# Altium PCB EPS.PcbDoc (part 10 of 11)
Units mm, origin at the board's own origin, x right, y up, seen from the top; angles counter-clockwise.
Board outline 90.25 x 93.64 mm, 8 copper layers (Top Layer, PGND, Power, Control Signals 1, Control Signals 2, Signal 1, Signal 2, Bottom Layer), stack 1.637 mm thick; 941 components, 557 nets, 2694 pads, 869 vias.
Unrouted connection lines stored in the file: 2.
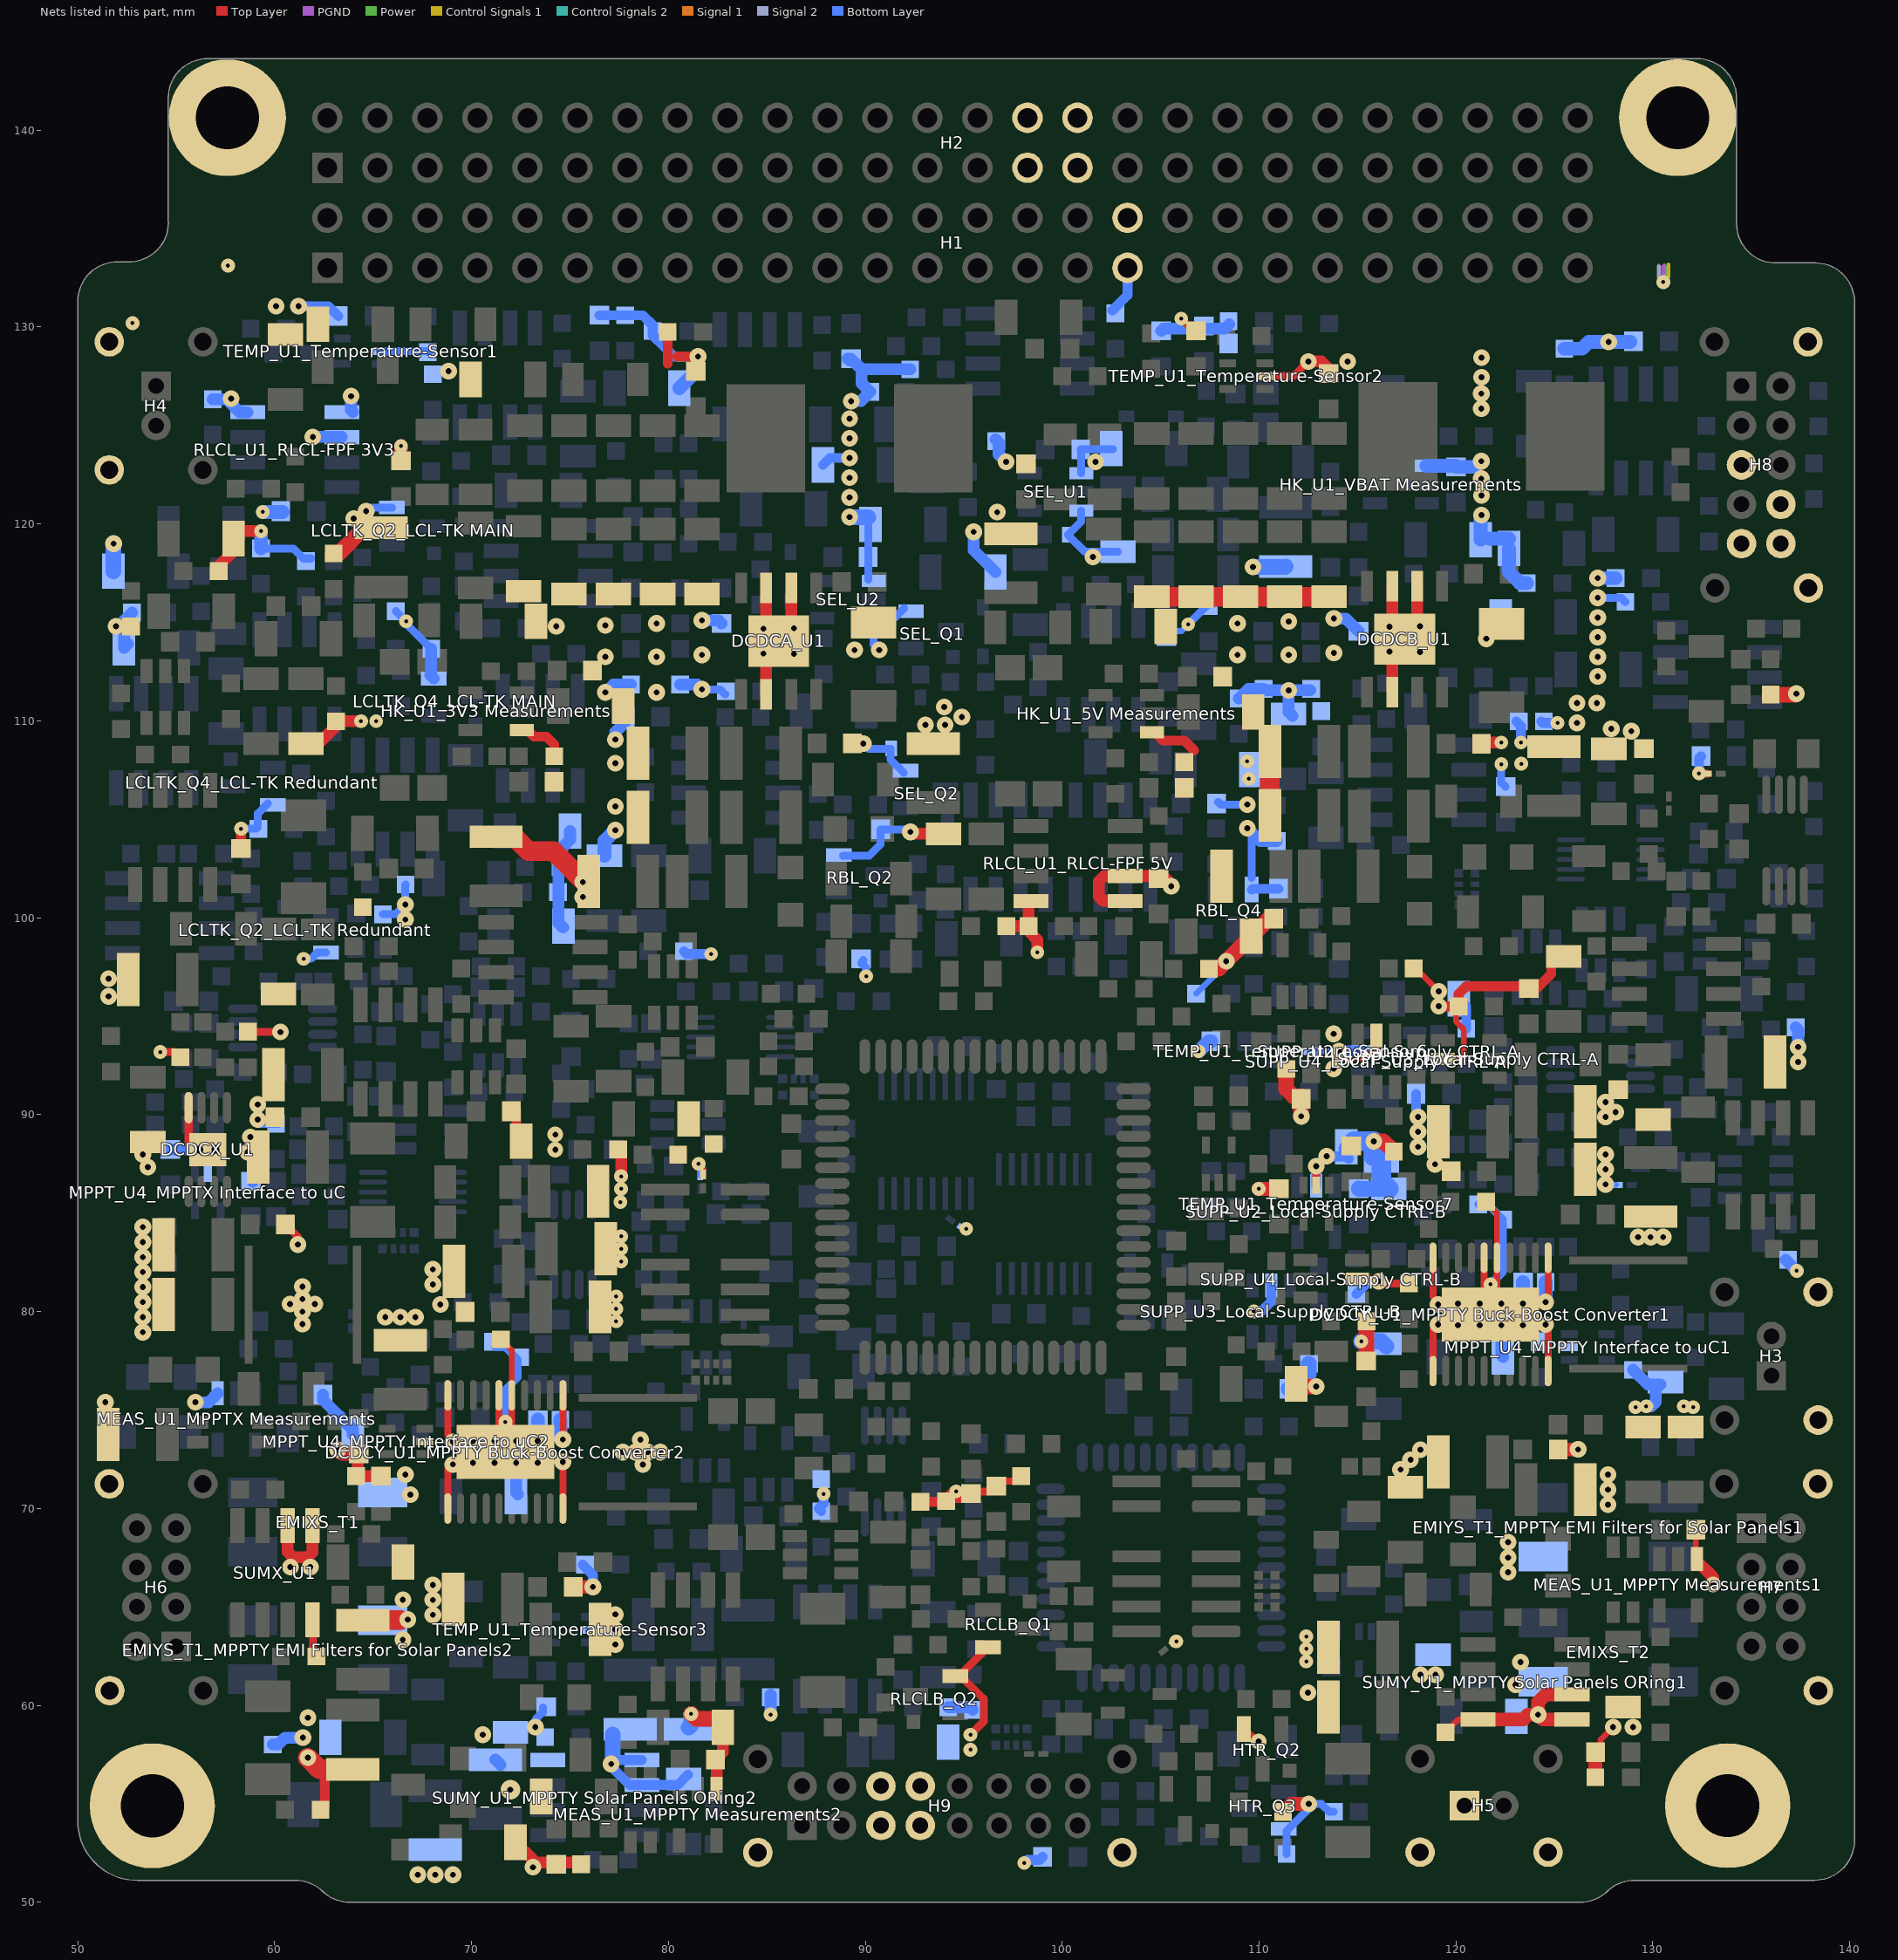
[diagram p16: the nets of this part, all layers, seen from the top]

## Via types
v1: diameter 0.7, hole 0.2, Top Layer to Bottom Layer, 431 vias
v2: diameter 0.85, hole 0.3, Top Layer to Bottom Layer, 345 vias
v3: diameter 0.6, hole 0.2, Top Layer to Bottom Layer, 62 vias
v4: diameter 0.8, hole 0.3, Top Layer to Bottom Layer, 19 vias
v5: diameter 0.75, hole 0.3, Top Layer to Bottom Layer, 7 vias
v6: diameter 1, hole 0.4, Top Layer to Bottom Layer, 2 vias
v7: diameter 0.7, hole 0.3, Top Layer to Bottom Layer, 2 vias
v8: diameter 1, hole 0.3, Top Layer to Bottom Layer, 1 vias

## Nets (pads, with @x,y where several pads share a name; then routed paths per layer and width w, separated by ;. In a path a pad name is that pad's centre, name@x,y a point inside that pad or via, vN(x,y) a via of type N, cw(c..) or ccw(c..) an arc to the next point about the centre after c; other vN are vias at no path point) (continued)
PGND: "DCDCY_C3_MPPTY Buck-Boost Converter1.1" "DCDCY_C3_MPPTY Buck-Boost Converter2.1" "DCDCY_C4_MPPTY Buck-Boost Converter1.1" "DCDCY_C4_MPPTY Buck-Boost Converter2.1" "DCDCY_C5_MPPTY Buck-Boost Converter1.2" "DCDCY_C5_MPPTY Buck-Boost Converter2.2" "DCDCY_C6_MPPTY Buck-Boost Converter1.2" "DCDCY_C6_MPPTY Buck-Boost Converter2.2" "DCDCY_C7_MPPTY Buck-Boost Converter1.2" "DCDCY_C7_MPPTY Buck-Boost Converter2.2" "DCDCY_C8_MPPTY Buck-Boost Converter1.2" "DCDCY_C8_MPPTY Buck-Boost Converter2.2" "DCDCY_C9_MPPTY Buck-Boost Converter1.2" "DCDCY_C9_MPPTY Buck-Boost Converter2.2" "DCDCY_C13_MPPTY Buck-Boost Converter1.2" "DCDCY_C13_MPPTY Buck-Boost Converter2.2" "DCDCY_C14_MPPTY Buck-Boost Converter1.2" "DCDCY_C14_MPPTY Buck-Boost Converter2.2" "DCDCY_R6_MPPTY Buck-Boost Converter1.2" "DCDCY_R6_MPPTY Buck-Boost Converter2.2" "DCDCY_R8_MPPTY Buck-Boost Converter1.2" "DCDCY_R8_MPPTY Buck-Boost Converter2.2" "DCDCY_R9_MPPTY Buck-Boost Converter1.2" "DCDCY_R9_MPPTY Buck-Boost Converter2.2" "DCDCY_R11_MPPTY Buck-Boost Converter1.2" "DCDCY_R11_MPPTY Buck-Boost Converter2.2" "DCDCY_U1_MPPTY Buck-Boost Converter1.1" "DCDCY_U1_MPPTY Buck-Boost Converter1.5" "DCDCY_U1_MPPTY Buck-Boost Converter1.6" "DCDCY_U1_MPPTY Buck-Boost Converter1.10" "DCDCY_U1_MPPTY Buck-Boost Converter1.11" "DCDCY_U1_MPPTY Buck-Boost Converter1.20" "DCDCY_U1_MPPTY Buck-Boost Converter1.21" "DCDCY_U1_MPPTY Buck-Boost Converter2.1" "DCDCY_U1_MPPTY Buck-Boost Converter2.5" "DCDCY_U1_MPPTY Buck-Boost Converter2.6" "DCDCY_U1_MPPTY Buck-Boost Converter2.10" "DCDCY_U1_MPPTY Buck-Boost Converter2.11" "DCDCY_U1_MPPTY Buck-Boost Converter2.20" "DCDCY_U1_MPPTY Buck-Boost Converter2.21" "EMIYI_C1_MPPTY Input EMI Filter1.2" "EMIYI_C1_MPPTY Input EMI Filter2.2" "EMIYI_C2_MPPTY Input EMI Filter1.2" "EMIYI_C2_MPPTY Input EMI Filter2.2" "EMIYO_C1_MPPTY Output EMI Filter1.2" "EMIYO_C1_MPPTY Output EMI Filter2.2" "EMIYO_C2_MPPTY Output EMI Filter1.2" "EMIYO_C2_MPPTY Output EMI Filter2.2" "EMIYO_C3_MPPTY Output EMI Filter1.2" "EMIYO_C3_MPPTY Output EMI Filter2.2" "EMIYS_C1_MPPTY EMI Filters for Solar Panels1.2" "EMIYS_C1_MPPTY EMI Filters for Solar Panels2.2" "EMIYS_C2_MPPTY EMI Filters for Solar Panels1.2" "EMIYS_C2_MPPTY EMI Filters for Solar Panels2.2" "EMIYS_T1_MPPTY EMI Filters for Solar Panels1.3" "EMIYS_T1_MPPTY EMI Filters for Solar Panels2.3" "HK_C1_3V3 Measurements.2" "HK_C1_5V Measurements.2" "HK_C1_VBAT Measurements.2" "HK_C2_3V3 Measurements.2" "HK_C2_5V Measurements.2" "HK_C2_VBAT Measurements.2" "HK_C3_3V3 Measurements.2" "HK_C3_5V Measurements.2" "HK_C3_VBAT Measurements.2" "HK_R4_3V3 Measurements.2" "HK_R4_5V Measurements.2" "HK_R4_VBAT Measurements.2" "HK_U1_3V3 Measurements.1" "HK_U1_5V Measurements.1" "HK_U1_VBAT Measurements.1" "LCL_C2_LCL-FPF ANTs 5V1.2" "LCL_C2_LCL-FPF ANTs 5V2.2" "LCL_C2_LCL-FPF CAMnadir 3V3.2" "LCL_C2_LCL-FPF CAMwing 3V3.2" "LCL_C2_LCL-FPF SENS 5V.2" "LCL_C2_LCL-FPF SunS 3V3.2" "LCL_C3_LCL-FPF ANTs 5V1.2" "LCL_C3_LCL-FPF ANTs 5V2.2" "LCL_C3_LCL-FPF CAMnadir 3V3.2" "LCL_C3_LCL-FPF CAMwing 3V3.2" "LCL_C3_LCL-FPF SENS 5V.2" "LCL_C3_LCL-FPF SunS 3V3.2" "LCL_R3_LCL-FPF ANTs 5V1.1" "LCL_R3_LCL-FPF ANTs 5V2.1" "LCL_R3_LCL-FPF CAMnadir 3V3.1" "LCL_R3_LCL-FPF CAMwing 3V3.1" "LCL_R3_LCL-FPF SENS 5V.1" "LCL_R3_LCL-FPF SunS 3V3.1" "LCL_R5_LCL-FPF ANTs 5V1.1" "LCL_R5_LCL-FPF ANTs 5V2.1" "LCL_R5_LCL-FPF CAMnadir 3V3.1" "LCL_R5_LCL-FPF CAMwing 3V3.1" "LCL_R5_LCL-FPF SENS 5V.1" "LCL_R5_LCL-FPF SunS 3V3.1" "LCLTK_C3_LCL-TK MAIN.2" "LCLTK_C3_LCL-TK Redundant.2" "LCLTK_C5_LCL-TK MAIN.2" "LCLTK_C5_LCL-TK Redundant.2" "LCLTK_Q2_LCL-TK MAIN.E" "LCLTK_Q2_LCL-TK Redundant.E" "LCLTK_Q4_LCL-TK MAIN.E" "LCLTK_Q4_LCL-TK Redundant.E" "LCLTK_R5_LCL-TK MAIN.1" "LCLTK_R5_LCL-TK Redundant.1" "LCLTK_R7_LCL-TK MAIN.1" "LCLTK_R7_LCL-TK Redundant.1" "LCLTK_R8_LCL-TK MAIN.1" "LCLTK_R8_LCL-TK Redundant.1" "LCLTK_R12_LCL-TK MAIN.1" "LCLTK_R12_LCL-TK Redundant.1" "LCLTK_R14_LCL-TK MAIN.1" "LCLTK_R14_LCL-TK Redundant.1" "LCLTK_R15_LCL-TK MAIN.1" "LCLTK_R15_LCL-TK Redundant.1" "MEAS_C1_MPPTX Measurements.2" "MEAS_C1_MPPTY Measurements1.2" "MEAS_C1_MPPTY Measurements2.2" "MEAS_C2_MPPTX Measurements.2" "MEAS_C2_MPPTY Measurements1.2" "MEAS_C2_MPPTY Measurements2.2" "MEAS_C3_MPPTX Measurements.2" "MEAS_C3_MPPTY Measurements1.2" "MEAS_C3_MPPTY Measurements2.2" "MEAS_R4_MPPTX Measurements.2" "MEAS_R4_MPPTY Measurements1.2" "MEAS_R4_MPPTY Measurements2.2" "MEAS_U1_MPPTX Measurements.1" "MEAS_U1_MPPTY Measurements1.1" "MEAS_U1_MPPTY Measurements2.1" "MPPT_C10_MPPTX Interface to uC.2" "MPPT_C10_MPPTY Interface to uC1.2" "MPPT_C10_MPPTY Interface to uC2.2" "MPPT_J1_MPPTX Interface to uC.1" "MPPT_J1_MPPTY Interface to uC1.1" "MPPT_J1_MPPTY Interface to uC2.1" "MPPT_U4_MPPTX Interface to uC.2" "MPPT_U4_MPPTY Interface to uC1.2" "MPPT_U4_MPPTY Interface to uC2.2" "RLCL_C2_RLCL-FPF 3V3.2" "RLCL_C2_RLCL-FPF 5V.2" "RLCL_C3_RLCL-FPF 3V3.2" "RLCL_C3_RLCL-FPF 5V.2" "RLCL_C4_DCDC RLCL.2" "RLCL_C4_VBAT RLCL.2" "RLCL_C5_DCDC RLCL.2" "RLCL_C5_VBAT RLCL.2" "RLCL_R4_DCDC RLCL.1" "RLCL_R4_VBAT RLCL.1" "RLCL_R5_DCDC RLCL.2" "RLCL_R5_VBAT RLCL.2" "RLCL_R6_RLCL-FPF 3V3.1" "RLCL_R6_RLCL-FPF 5V.1" "RLCL_U1_RLCL-FPF 3V3.4" "RLCL_U1_RLCL-FPF 3V3.5" "RLCL_U1_RLCL-FPF 3V3.6" "RLCL_U1_RLCL-FPF 5V.4" "RLCL_U1_RLCL-FPF 5V.5" "RLCL_U1_RLCL-FPF 5V.6" "SUMPBY_C4_MPPTY ORing to MPB1.2" "SUMPBY_C4_MPPTY ORing to MPB2.2" "SUMPBY_C7_MPPTY ORing to MPB1.2" "SUMPBY_C7_MPPTY ORing to MPB2.2" "SUMPBY_R4_MPPTY ORing to MPB1.2" "SUMPBY_R4_MPPTY ORing to MPB2.2" "SUMPBY_R6_MPPTY ORing to MPB1.2" "SUMPBY_R6_MPPTY ORing to MPB2.2" "SUMPBY_R8_MPPTY ORing to MPB1.2" "SUMPBY_R8_MPPTY ORing to MPB2.2" "SUMY_C1_MPPTY Solar Panels ORing1.2" "SUMY_C1_MPPTY Solar Panels ORing2.2" "SUMY_C2_MPPTY Solar Panels ORing1.2" "SUMY_C2_MPPTY Solar Panels ORing2.2" "SUMY_C3_MPPTY Solar Panels ORing1.2" "SUMY_C3_MPPTY Solar Panels ORing2.2" "SUMY_R3_MPPTY Solar Panels ORing1.2" "SUMY_R3_MPPTY Solar Panels ORing2.2" "SUMY_R4_MPPTY Solar Panels ORing1.2" "SUMY_R4_MPPTY Solar Panels ORing2.2" "SUMY_U1_MPPTY Solar Panels ORing1.4" "SUMY_U1_MPPTY Solar Panels ORing1.5" "SUMY_U1_MPPTY Solar Panels ORing1.6" "SUMY_U1_MPPTY Solar Panels ORing2.4" "SUMY_U1_MPPTY Solar Panels ORing2.5" "SUMY_U1_MPPTY Solar Panels ORing2.6" "SUPP_C1_Local-Supply CTRL-A.2" "SUPP_C1_Local-Supply CTRL-B.2" "SUPP_C2_Local-Supply CTRL-A.2" "SUPP_C2_Local-Supply CTRL-B.2" "SUPP_C3_Local-Supply CTRL-A.1" "SUPP_C3_Local-Supply CTRL-B.1" "SUPP_C5_Local-Supply CTRL-A.2" "SUPP_C5_Local-Supply CTRL-B.2" "SUPP_C6_Local-Supply CTRL-A.2" "SUPP_C6_Local-Supply CTRL-B.2" "SUPP_C7_Local-Supply CTRL-A.2" "SUPP_C7_Local-Supply CTRL-B.2" "SUPP_C8_Local-Supply CTRL-A.2" "SUPP_C8_Local-Supply CTRL-B.2" "SUPP_C9_Local-Supply CTRL-A.2" "SUPP_C9_Local-Supply CTRL-B.2" "SUPP_C10_Local-Supply CTRL-A.2" "SUPP_C10_Local-Supply CTRL-B.2" "SUPP_R4_Local-Supply CTRL-A.2" "SUPP_R4_Local-Supply CTRL-B.2" "SUPP_R11_Local-Supply CTRL-A.2" "SUPP_R11_Local-Supply CTRL-B.2" "SUPP_R12_Local-Supply CTRL-A.2" "SUPP_R12_Local-Supply CTRL-B.2" "SUPP_R14_Local-Supply CTRL-A.2" "SUPP_R14_Local-Supply CTRL-B.2" "SUPP_R15_Local-Supply CTRL-A.1" "SUPP_R15_Local-Supply CTRL-B.1" "SUPP_U2_Local-Supply CTRL-A.2" "SUPP_U2_Local-Supply CTRL-B.2" "SUPP_U3_Local-Supply CTRL-A.2" "SUPP_U3_Local-Supply CTRL-B.2" "SUPP_U4_Local-Supply CTRL-A.2" "SUPP_U4_Local-Supply CTRL-B.2" BATC_R2.2 BATC_R5.1 BATD_R2.2 BATV_C1.2 BATV_C2.2 BATV_R2.2 BATV_R4.2 CTRL_J1_CTRL-A_Supply.1 CTRL_J1_CTRL-B_Supply.1 CTRLB_C5.2 CTRLB_J1.1 DCDCA_C1.1 DCDCA_C2.1 DCDCA_C3.2 DCDCA_C4.2 DCDCA_C13.2 DCDCA_C14.2 DCDCA_C15.2 DCDCA_C16.2 DCDCA_C17.2 DCDCA_C20.2 DCDCA_D1.A DCDCA_R4.1 DCDCA_R5.1 DCDCA_U1.2 DCDCA_U1.3 DCDCA_U1.6 DCDCA_U1.9 DCDCB_C1.1 DCDCB_C2.1 DCDCB_C3.2 DCDCB_C4.2 DCDCB_C14.2 DCDCB_C15.2 DCDCB_C16.2 DCDCB_C17.2 DCDCB_C18.2 DCDCB_C21.2 DCDCB_D1.A DCDCB_R4.1 DCDCB_R5.1 DCDCB_U1.2 DCDCB_U1.3 DCDCB_U1.6 DCDCB_U1.9 DCDCX_C1.1 DCDCX_C2.1 DCDCX_C3.2 DCDCX_C4.2 DCDCX_C5.2 DCDCX_C6.2 DCDCX_C8.2 DCDCX_C9.2 DCDCX_R8.2 DCDCX_R10.2 DCDCX_R11.2 DCDCX_U1.8 DCDCX_U1.9 DISTR_R1.1 DISTR_R2.1 DISTR_R3.1 DISTR_R4.1 DISTR_R5.1 DISTR_R6.1 DISTR_R7.1 DISTR_R8.1 EMIAA_C2.2 EMIAA_C3.2 EMIAB_C2.2 EMIAB_C3.2 EMIAB_C4.2 EMIBA_C2.2 EMIBA_C3.2 EMIBB_C2.2 EMIBB_C3.2 EMIBB_C4.2 EMIVBAT_C3.2 EMIVBAT_C4.2 EMIVBAT_C5.2 EMIXI_C1.2 EMIXI_C2.2 EMIXO_C1.2 EMIXO_C2.2 EMIXO_C3.2 EMIXS_C1.2 EMIXS_C2.2 EMIXS_C3.2 EMIXS_T1.3 EMIXS_T2.3 H1.33 H1.34 H2.29 H2.30 H2.31 H2.32 H3.0@138.392,74.49 H3.0@138.392,80.99 H4.0@51.6,122.75 H4.0@51.6,129.25 H5.0@118.176,52.54 H5.0@124.676,52.54 H5.1 H6.0@51.6,71.25 H6.0@51.625,60.75 H7.0@138.4,60.75 H7.0@138.375,71.25 H8.0@137.9,116.75 H8.0@137.875,129.25 H8.3 H8.5 H8.9 H8.10 H9.0@84.54,52.523 H9.0@103.04,52.523 H9.3 H9.4 H9.11 H9.12 HTR_Q2.E HTR_Q3.S HTR_R3.1 HTR_R7.1 LS_C2.2 LS_R4.2 MNT1.1 MNT2.1 MNT3.1 MNT4.1 RBL_C2.2 RBL_C4.2 RBL_Q2.E RBL_Q4.E RLCLB_C6.2 RLCLB_C7.2 RLCLB_C8.2 RLCLB_Q1.E RLCLB_Q2.E RLCLB_R8.2 RLCLB_R11.2 RLCLB_R12.2 RLCLB_R13.2 SEL_C1.2 SEL_C2.2 SEL_C3.2 SEL_C6.1 SEL_C7.1 SEL_D5.A SEL_D6.A SEL_Q1.E SEL_Q2.E SEL_U1.1 SEL_U1.3 SEL_U2.1 SEL_U2.3 SUMPBX_C4.2 SUMPBX_R4.2 SUMPBX_R6.2 SUMX_C1.2 SUMX_C2.2 SUMX_C3.2 SUMX_R3.2 SUMX_R4.2 SUMX_U1.4 SUMX_U1.5 SUMX_U1.6 TEMP_C1_Temperature-Sensor1.2 TEMP_C1_Temperature-Sensor2.2 TEMP_C1_Temperature-Sensor3.2 TEMP_C1_Temperature-Sensor6.2 TEMP_C1_Temperature-Sensor7.2 TEMP_U1_Temperature-Sensor1.2 TEMP_U1_Temperature-Sensor2.2 TEMP_U1_Temperature-Sensor3.2 TEMP_U1_Temperature-Sensor6.2 TEMP_U1_Temperature-Sensor7.2 | length 422.1
  Top Layer w0.254: 114.538,81.661 114.975,81.661
  Top Layer w0.3: 71.485,78.586 72.042,78.029 72.042,75.746 ; v1(81.534,87.503) 81.763,87.274 81.763,86.97 ; v2@113.919,92.837 115.239,92.837 115.489,93.086 115.819,93.086 115.951,93.218 115.951,94.02 ; 117.856,97.42 117.972,97.42 v2(119.126,96.266) ; 119.34,92.837 120.142,92.837 120.396,93.091 120.396,94.328 120.004,94.72 120.004,95.504 ; 119.469,58.625 120.13,59.286 121.113,59.286 ; 121.523,85.571 122.08,85.014 122.08,82.731 ; 127.078,57.62 127.343,57.885 127.343,58.255 v2(127.978,58.89) ; 132.18,67.743 132.18,68.923 132.18,69.177
  Top Layer w0.35: 68.792,69.996 68.792,72.105 v2@68.923,72.236 ; 68.792,73.764 68.792,75.746 ; 71.392,75.746 71.392,74.395 71.392,73.196 71.717,72.871 72.042,73.196 72.042,75.746 ; 74.642,69.996 v2@74.642,72.105 ; v2@74.642,73.891 74.642,75.746 ; BATV_C2.2@96.901,71.385 BATV_R4.2@97.917,71.385 ; 118.83,76.981 118.83,79.09 v2@118.961,79.221 ; 118.83,80.749 118.83,82.731 ; 121.43,82.731 121.43,80.181 121.755,79.856 122.08,80.181 122.08,81.38 122.08,82.731 ; 124.68,76.981 v2@124.68,79.09 ; v2@124.68,80.876 124.68,82.731
  Top Layer w0.4: v1(54.191,93.18) 54.942,93.18 DCDCX_R10.2@55.207,92.915 ; 55.629,88.522 DCDCX_U1.8@55.629,90.352 ; DCDCX_R8.2@58.636,94.207 60.276,94.207 v2(60.287,94.196) ; DCDCX_C1.1@60.541,84.417 DCDCX_C1.1@60.552,84.417 61.176,83.793 v2(61.176,83.401) ; SUMPBX_C4.2@61.43,108.548 SUMPBX_C4.2@61.431,108.547 ; SUMX_U1.4@61.923,64.344 61.949,64.318 SUMX_R4.2@61.949,62.446 ; 80.733,89.625 80.733,89.878 ; BATV_R2.2@94.069,70.331 BATV_R2.2@94.107,70.369 94.223,70.485 BATV_C1.2@95.377,70.485 ; RLCLB_Q2.E@94.57,61.491 RLCLB_Q2.E@94.765,61.491 ; BATV_C1.2@95.239,70.866 96.382,70.866 BATV_C2.2@96.647,71.131 BATV_C2.2@96.901,71.385 ; v1(95.339,58.509) 96.012,59.182 96.012,60.325 94.846,61.491 RLCLB_Q2.E@94.765,61.491 ; RLCLB_Q1.E@96.228,62.954 RLCLB_Q2.E@94.765,61.491 ; v1(106.045,130.429) TEMP_C1_Temperature-Sensor2.2@106.553,129.921 ; HTR_Q2.E@109.225,58.801 109.86,58.166 v4(109.982,58.166) ; TEMP_U1_Temperature-Sensor2.2@110.297,127.508 111.758,127.508 v2(112.5,128.25) ; TEMP_U1_Temperature-Sensor7.2@112.903,86.421 v2(112.903,87.376) ; 114.975,81.661 115.951,81.661 116.073,81.539 v2(116.078,81.539) 116.078,81.534 116.194,81.418 117.602,81.418 ; v1@132.369,107.315 CTRLB_J1.1@132.74,107.315
  Top Layer w0.5: v1(58.293,104.521) 58.293,103.821 EMIXO_C1.2@58.382,103.732 ; SUMX_R3.2@62.546,54.799 62.546,56.755 ; SUMX_C3.2@62.992,56.755 62.992,56.769 SUMX_C3.2@63.119,56.896 ; 72.274,89.066 72.274,90.297 ; 72.898,109.474 73.172,109.2 73.8,109.2 74.2,108.8 74.2,108.2 ; 79.961,128.143 DISTR_R2.1@79.961,129.756 ; 80.466,128.5 v2(81.5,128.5) v2@81.4,128.4 ; BATD_R2.2@92.799,70.331 BATV_R2.2@93.931,70.331 ; BATV_R2.2@94.069,70.331 BATV_R2.2@93.931,70.331 ; v1(94.615,70.866) 94.466,70.866 BATV_R2.2@93.931,70.331 ; 104.807,109.303 105.11,109 106.2,109 106.7,108.5 ; v2(119.126,95.504) 120.004,95.504 ; 120.131,95.504 120.131,96.128 120.523,96.52 123.455,96.52 123.698,96.277 123.964,96.277 124.841,97.154 124.841,98.044 ; v1(132.348,107.336) v1@132.369,107.315
  Top Layer w0.6: v2(51.943,114.808) SUMPBX_R4.2@52.375,114.808 ; 57.161,117.602 57.161,117.867 57.911,118.617 57.911,119.253 58.292,119.634 v1(59.309,119.634) ; SUMX_U1.6@60.653,69.124 60.653,67.795 60.922,67.526 61.684,67.526 61.923,67.765 SUMX_U1.5@61.923,69.124 ; SUMPBX_C4.2@62.103,108.712 63.208,109.817 63.208,110.06 63.324,109.944 63.362,109.982 v1(64.389,109.982) ; 64.224,72.771 64.224,71.855 64.44,71.639 65.278,71.639 ; 72.224,53.302 72.224,53.048 73.114,52.158 v2(73.114,51.778) 73.357,52.021 75.527,52.021 ; 77.443,88.354 77.443,88.227 77.443,88.1 77.597,87.946 v1(77.597,86.868) ; 82.446,55.755 82.446,57.178 82.385,57.239 82.765,57.619 82.765,58.89 82.765,59.144 ; DCDCA_U1.6@84.965,111.35 84.965,113.415 DCDCA_U1.9@85.6,114.05 ; DCDCA_U1.3@84.965,116.75 84.965,114.685 DCDCA_U1.9@85.6,114.05 ; DCDCA_U1.2@86.235,116.75 86.235,114.685 DCDCA_U1.9@85.6,114.05 ; v2(92.291,104.356) 92.381,104.266 93.98,104.266 ; 97.166,99.568 DISTR_R8.1@98.287,99.568 ; 98.418,100.853 98.287,100.722 DISTR_R8.1@98.287,99.568 ; v1(98.732,98.245) 98.732,98.88 98.287,99.325 DISTR_R8.1@98.287,99.568 ; 103.198,100.853 102.093,100.853 101.854,101.092 101.854,101.854 102.123,102.123 103.198,102.123 104.771,102.123 104.902,101.992 105.272,101.992 105.537,101.727 v2(105.537,101.6) ; v2(112.5,128.25) 113.15,128.25 DCDCB_C4.2@113.55,127.85 ; DCDCB_U1.6@116.76,111.45 116.76,113.515 DCDCB_U1.9@117.395,114.15 ; DCDCB_U1.3@116.76,116.85 116.76,114.785 DCDCB_U1.9@117.395,114.15 ; DCDCB_U1.2@118.03,116.85 118.03,114.785 DCDCB_U1.9@117.395,114.15 ; DCDCB_C3.2@121.3,108.95 121.35,108.9 v1(122.3,108.9) ; 132.23,67.439 132.23,67.338 133.058,66.51 v4(133.058,66.129)
  Top Layer w0.7: v2(63.208,72.987) 63.424,72.771 64.224,72.771 ; EMIAB_C2.2@66.421,123.201 v1(66.421,123.952) ; 69.674,79.983 69.674,80.108 ; 75.146,66.013 75.157,66.013 v2(76.162,66.013) ; v1(109.982,86.233) 110.86,86.233 ; 111.214,54.583 111.622,54.991 v2(112.522,54.991) ; 119.712,86.968 119.712,87.093 ; 121.113,59.286 123.421,59.286 123.66,59.525 v2(124.168,59.525) ; 125.184,72.998 125.195,72.998 v2(126.2,72.998) ; 125.893,59.286 124.407,59.286 v2(124.168,59.525) ; 125.893,60.556 124.564,60.556 124.168,60.16 v2(124.168,59.525) ; 127.078,56.35 127.078,57.62
  Top Layer w0.8: 62.992,118.502 63.257,118.502 64.555,119.8 EMIAB_C4.2@65.4,119.8 ; v1(81.153,59.563) 81.407,59.309 82.6,59.309 82.765,59.144 ; LS_R4.2@107.453,97.409 107.949,97.409 LS_C2.2@109.6,99.06 110.489,99.949 110.733,99.949 ; 110.86,86.233 110.871,86.244 ; 111.379,92.318 111.379,91.313 111.76,90.932 112.13,90.932 112.13,90.805 v2@112.13,89.927 ; 111.759,76.327 111.886,76.2 v2(112.903,76.2) ; 115.443,77.481 115.443,79.502 ; v2(115.824,88.646) 116.321,88.646 116.84,88.127 ; 135.979,111.33 137.238,111.33 v2(137.287,111.379)
  Top Layer w1: v2(61.683,57.342) 62.27,56.755 62.546,56.755 ; SUMX_C3.2@62.992,56.755 SUMX_C3.2@63.97,56.755 ; SUMX_C2.2@64.461,64.344 SUMX_C2.2@64.478,64.327 v2@66.383,64.327 ; 71.247,104.116 72.16,104.116 72.898,103.378 74.168,103.378 75.696,101.85 EMIAA_C2.2@75.95,101.85 ; DCDCB_C16.2@104.55,116.3 DCDCB_C17.2@106.8,116.3 DCDCB_C18.2@109.05,116.3 DCDCB_C2.1@111.3,116.3 DCDCB_C1.1@113.55,116.3 ; DCDCB_C14.2@110.55,105.2 DCDCB_C15.2@110.55,108.45
  PGND w0.208: v1(130.531,132.283) 130.531,133.071 130.556,133.096
  Power w0.208: v1(130.531,132.283) 130.607,132.359 130.607,133.096
  Signal 1 w0.208: v1(130.531,132.283) 130.581,132.334 130.581,133.045
  Signal 2 w0.208: 130.302,133.096 130.302,132.512 v1(130.531,132.283)
  Control Signals 1 w0.208: v1(130.531,132.283) 130.785,132.537 130.785,133.172
  Control Signals 2 w0.208: v1(130.531,132.283) 130.581,132.334 130.581,133.096
  Bottom Layer w0.3: 67.78,128.729 67.918,128.729 ; v2@68.807,127.608 v2@68.923,127.724 ; v1(81.534,87.503) 81.61,87.427 81.61,86.919 ; 105.245,114.251 105.283,114.289 105.548,114.554 106.054,114.554 v1(106.4,114.9) ; 106.796,96.139 108.331,97.674 v2(108.331,97.79) ; TEMP_U1_Temperature-Sensor6.2@112.583,93.218 v2(114.046,93.218) ; v2(127.597,86.46) 127.621,86.436 128.118,86.436
  Bottom Layer w0.4: v1(58.293,104.521) 59.059,104.521 59.148,104.61 59.148,105.298 59.65,105.8 ; 59.309,118.756 60.949,118.756 61.457,118.248 61.849,118.248 ; v1(61.468,97.917) 61.849,97.917 62.169,98.237 62.604,98.237 ; v2(64.643,120.65) 64.831,120.838 65.959,120.838 ; TEMP_U1_Temperature-Sensor1.2@65.339,128.778 67.731,128.778 67.78,128.729 ; 65.494,100.176 66.14,100.176 v2(66.637,100.673) 66.637,101.678 66.648,101.689 ; 66.156,115.57 66.664,115.062 v1(66.675,115.062) 66.675,114.935 67.95,113.66 ; 71.209,78.194 71.717,78.194 72.352,77.559 72.352,76.67 71.717,76.035 v1(71.717,74.395) ; v2(73.241,58.89) 73.241,59.271 73.622,59.652 TEMP_C1_Temperature-Sensor3.2@73.622,59.895 ; TEMP_U1_Temperature-Sensor3.2@75.969,63.843 77.294,63.843 v2(77.305,63.854) ; v2(81.7,111.6) 82.623,111.6 82.882,111.341 ; RBL_Q2.E@88.869,103.147 90.193,103.147 90.767,103.721 90.767,104.483 90.778,104.483 92.164,104.483 v2(92.291,104.356) ; RBL_C2.2@89.878,97.868 89.916,97.83 89.789,97.703 90.043,97.449 v1(90.043,97.028) ; v2(89.9,108.85) 90.175,108.575 91.275,108.575 91.275,108.039 SEL_Q2.E@91.946,107.367 ; SEL_U2.1@90.143,117.183 SEL_C3.2@90.143,118.326 90.143,120.35 90.143,120.368 90.26,120.485 ; v2(90.7,113.6) 90.426,113.874 SEL_U2.3@90.426,115.217 91.468,115.217 SEL_Q1.E@91.973,115.722 ; SEL_U1.3@100.967,120.678 100.967,120.124 SEL_D5.A@100.292,119.449 101.16,118.581 SEL_C6.1@102.832,118.581 ; SEL_U1.1@100.967,122.578 100.967,123.758 SEL_C2.2@100.938,123.787 EMIVBAT_C4.2@102.579,123.787 ; v1(106.4,114.9) 107.424,115.924 107.658,115.924 ; RBL_C4.2@107.923,105.88 108.053,105.75 v2(109.4,105.75) ; RBL_Q4.E@109.624,102.024 v2@109.624,104.326 ; HTR_R3.1@111.39,52.451 111.39,53.605 112.522,54.737 v2(112.522,54.991) 113.157,54.991 113.549,54.599 HTR_R7.1@113.792,54.599 ; 121.131,85.444 121.617,85.444 122.39,84.671 122.39,82.015 v1(121.755,81.38) ; v1(122.3,107.8) 122.3,106.87 122.517,106.653 ; v2(127.2,116.25) 128.392,116.25 DISTR_R6.1@128.602,116.04
  Bottom Layer w0.5: v2(61.214,131.064) 62.727,131.064 TEMP_C1_Temperature-Sensor1.2@63.235,130.556 ; v2(73.241,58.89) v2@73.368,58.89 ; RLCLB_R11.2@75.643,67.145 76.162,66.626 v2(76.162,66.013) ; 76.5,130.6 77.8,130.6 78.696,130.6 79.2,130.096 79.2,129.8 79.2,129.588 79.8,128.988 80.288,128.5 v2(81.5,128.5) ; 78.649,57.224 77.163,57.224 77.089,57.15 v2(77.089,57.023) 77.089,56.896 78.031,55.954 78.649,55.954 80.467,55.954 80.988,56.475 ; 80.783,98.298 80.924,98.157 v1(82.169,98.157) ; BATC_R2.2@87.757,69.861 87.625,69.993 87.884,70.253 v1(87.884,70.739) ; 87.85,123 88.2,123.35 v2(89.2,123.35) ; v1(98.069,51.994) 98.222,52.146 98.846,52.146 CTRLB_C5.2@98.998,52.299 ; 102.55,130.85 103.316,131.617 H1.33@103.316,133.008 H1.33@103.4,132.925 ; RBL_Q4.E@109.624,101.428 109.669,101.473 110.987,101.473 ; v1(109.728,80.01) 110.109,80.01 110.617,80.518 110.617,81.32 ; 112.903,86.4 v2(112.903,87.376) 113.411,87.884 v2(113.436,87.884) 114.427,87.884 114.554,87.757 ; 114.935,80.888 115.586,81.539 v2(116.078,81.539) ; 117.972,91.059 117.972,89.989 v2(118.072,89.889) ; 120.141,95.885 120.523,95.503 120.523,94.372 ; v2(121.539,114.173) 122.264,114.898 122.264,115.278 ; 123.063,109.971 123.3,109.734 v1(123.3,108.9) ; 124.333,109.971 124.404,109.9 v1(125.15,109.9) ; v1(132.348,107.336) 132.348,108.102 132.45,108.204